# Altium PCB FPGA_SHIELD_MARK1_RA1_2.PcbDoc (part 4 of 4) (continued)
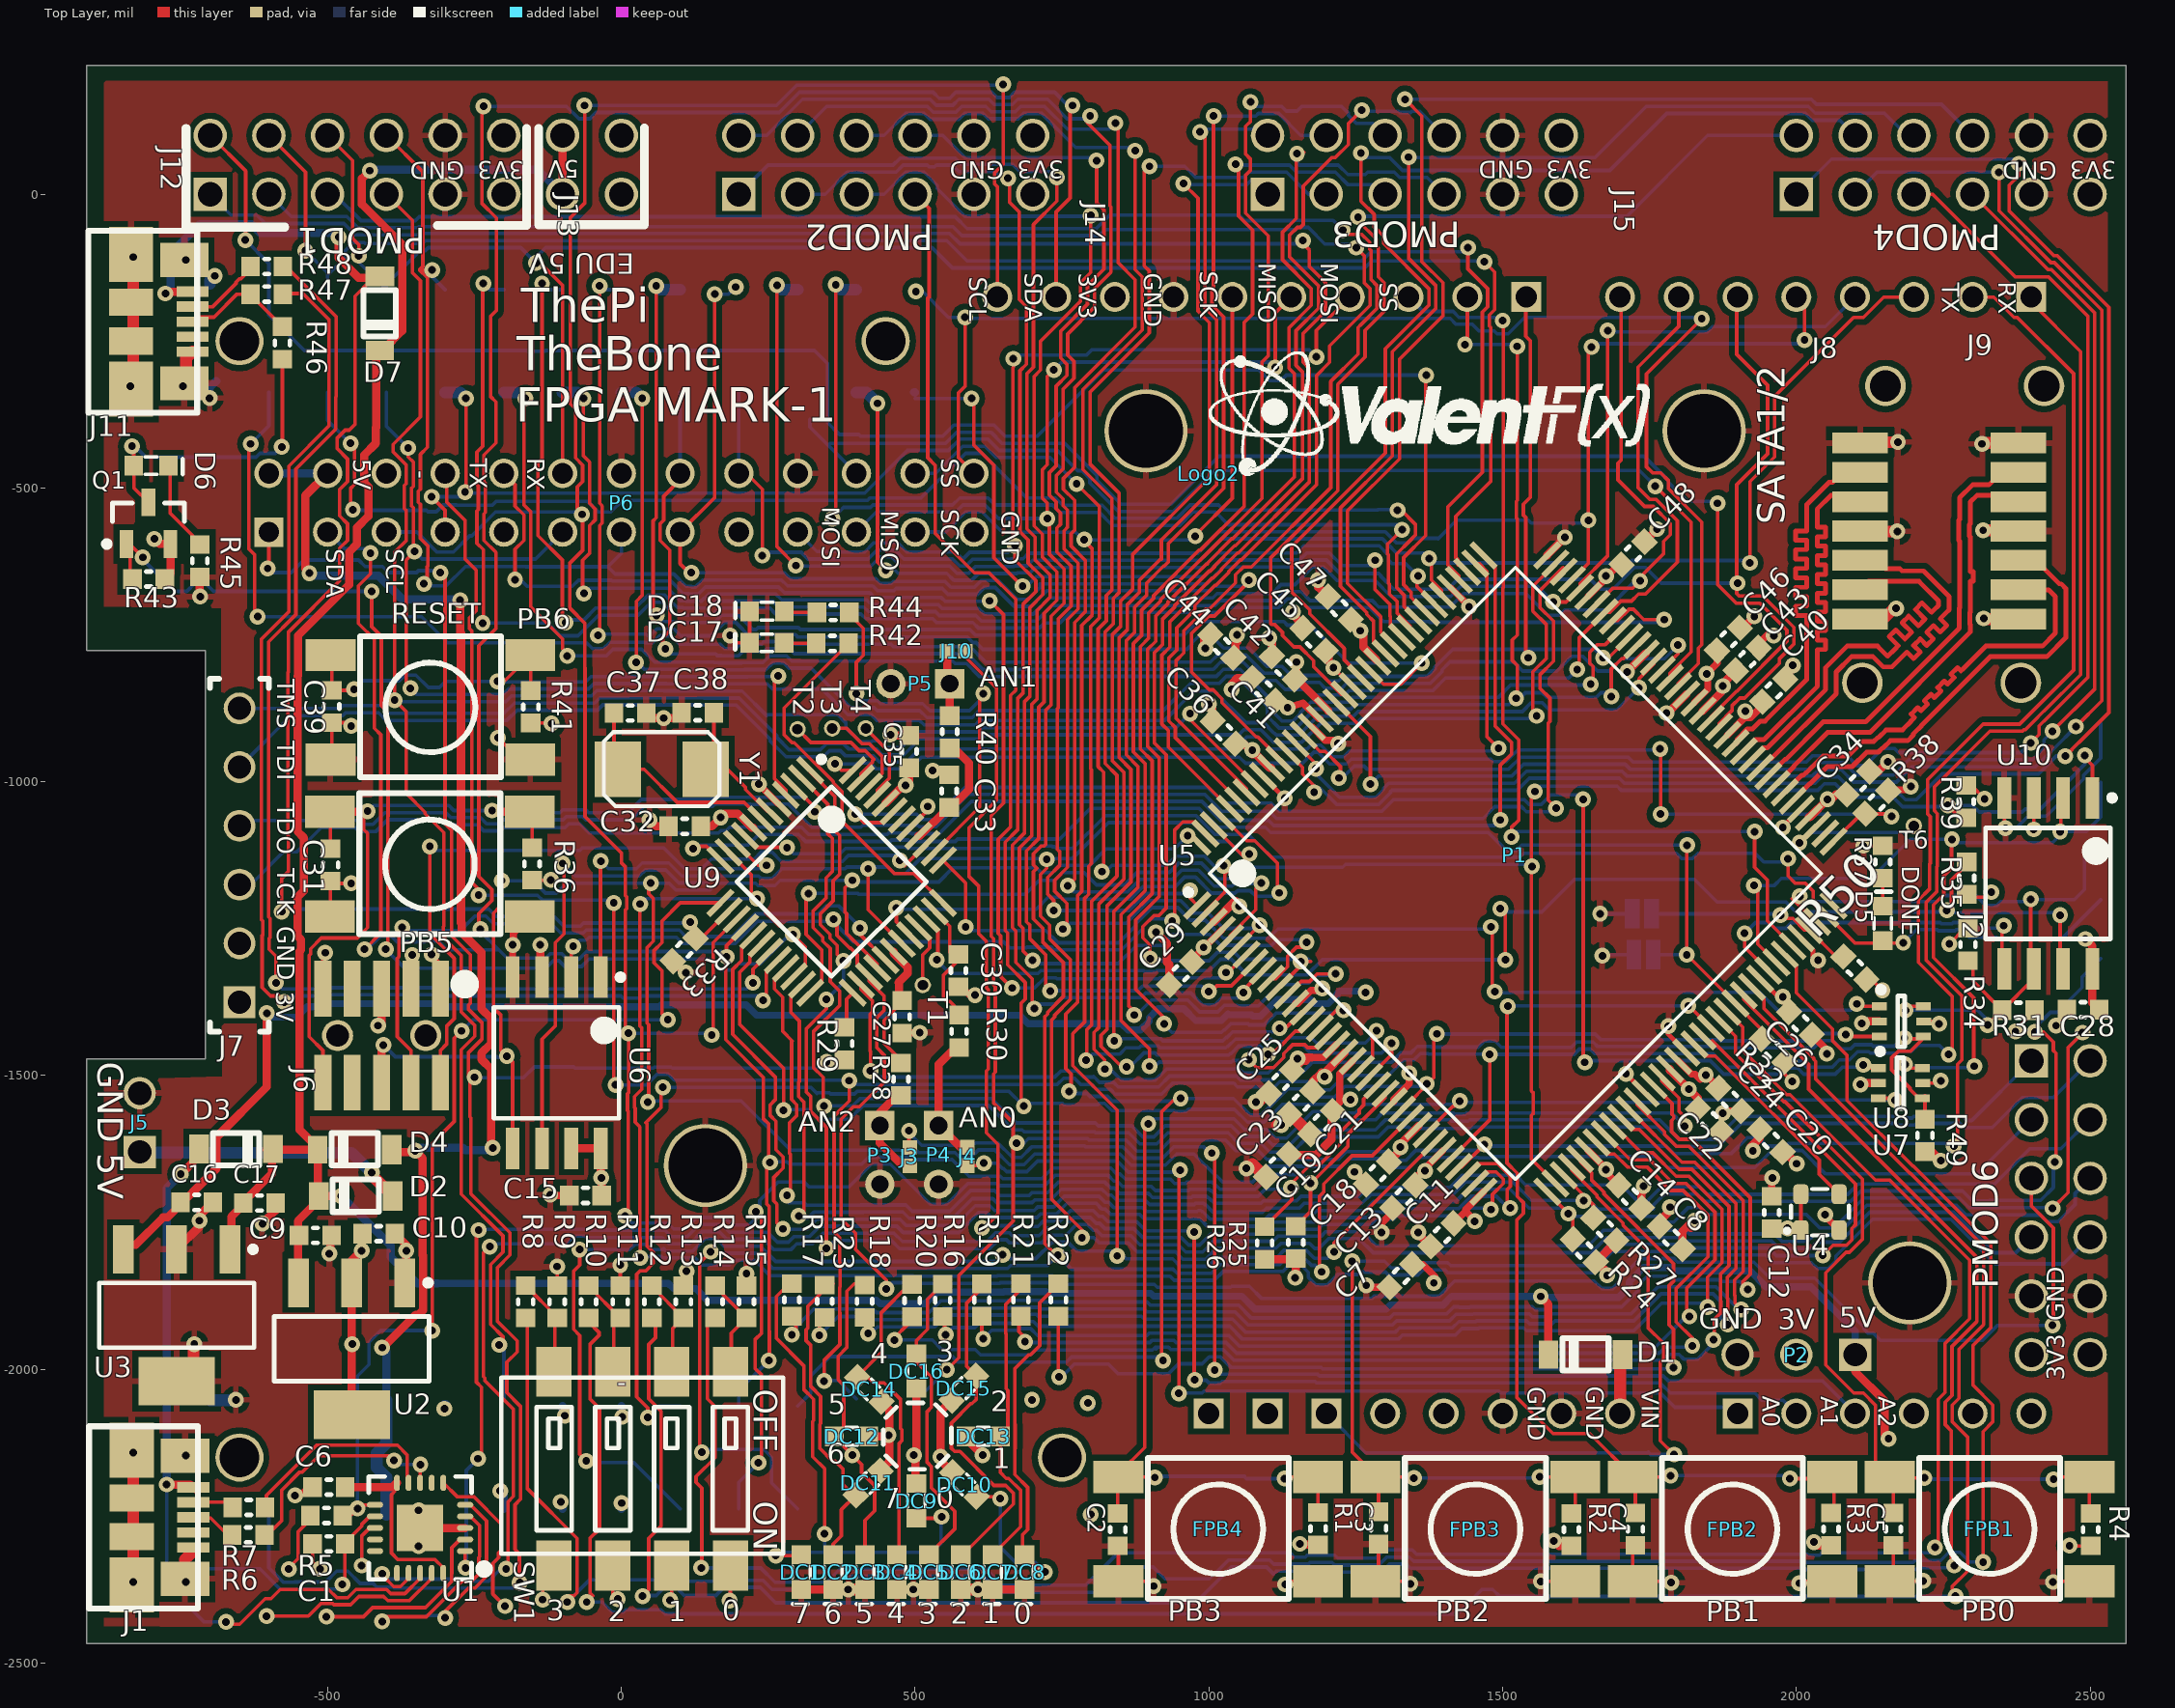
[diagram p0: Top Layer view]
## Nets (pads, with @x,y where several pads share a name; then routed paths per layer and width w, separated by ;. In a path a pad name is that pad's centre, name@x,y a point inside that pad or via, vN(x,y) a via of type N, cw(c..) or ccw(c..) an arc to the next point about the centre after c; other vN are vias at no path point) (continued)
SYS_SPI_MISO: P1.D5 P6.21 P28.21 U5.27 | length 4497.7
  Top Layer w6: v1(137,-2141) 133.55,-2137.55 133.55,-1818.45 v1(152,-1800) ; v1(725,-552) 725,-525.73 716.5,-517.23 716.5,-468.77 725,-460.27 725,-310 v1(736.01,-298.99) ; v1@727,-552 728.5,-553.5 728.5,-612.8 753.5,-637.8 753.5,-696.2 731.5,-718.2 731.5,-869.11 722.5,-878.11 722.5,-1106.68 719.68,-1109.5 714.68,-1109.5 701.5,-1122.68 701.5,-1141.32 707.22,-1147.04 701.5,-1152.77 701.5,-1233.29 717.17,-1248.96 717.17,-1272.38 752.5,-1307.71 752.5,-1365.32 725.5,-1392.32 725.5,-1395.32 720.5,-1400.32 720.5,-1785.73 v1@741.88,-1807.12 ; v1(1113.01,-294.99) 1113.01,-201.99 P1.D5@1140,-175 ; v1@1188,-1834 1188,-1705.87 1195.79,-1698.08 1195.79,-1684.39 1243.68,-1636.5 1278.13,-1636.5 U5.27@1342.44,-1572.19
  Bottom Layer w6: v1(137,-2141) 141.5,-2136.5 242.68,-2136.5 255.86,-2149.68 255.86,-2193.36 P28.21@300,-2237.5 ; v1(152,-1800) 154.5,-1802.5 231.79,-1802.5 233.75,-1804.47 257.79,-1828.5 657.32,-1828.5 662.32,-1823.5 725.5,-1823.5 v1(743,-1806) 766.5,-1829.5 938.8,-1829.5 945.8,-1836.5 1004.2,-1836.5 1019.2,-1821.5 1120.71,-1821.5 1132.71,-1809.5 1161.29,-1809.5 1174.79,-1823 1181,-1823 v1(1192,-1834) ; P6.21@400,-575 434,-541 568.95,-541 580.95,-529 619.05,-529 642.05,-552 v1(725,-552) ; v1(736.01,-298.99) 749.33,-285.67 1103.69,-285.67 v1(1113.01,-294.99)
SYS_SPI_MOSI: P1.D4 P6.19 P28.18 U5.29 U7.3 | length 5631.5
  Top Layer w6: v1(45,-2082) 45,-2065.7 26.12,-2046.82 26.12,-1837.96 31.4,-1832.69 41.13,-1832.69 54.5,-1819.32 54.5,-1800.68 44,-1790.18 44,-1582.83 41.49,-1580.33 67.51,-1554.31 67.51,-1522.99 v1(70.5,-1520) ; v1@666.5,-606 666.5,-295.35 ; v1@666.5,-598 666.5,-295.35 ; v1(667,-280) 667.5,-280.5 667.5,-294.35 666.5,-295.35 ; v1(670,-598) 670,-622.18 705.5,-657.68 705.5,-676.32 683.5,-698.32 683.5,-849.23 674.5,-858.23 674.5,-1081.8 653.5,-1102.8 653.5,-1253.17 657.5,-1257.17 657.5,-1311.68 687.5,-1341.68 687.5,-1369.68 680.5,-1376.68 680.5,-1547.5 v1(685,-1552) ; v1(1183,-277) 1183,-232 P1.D4@1240,-175 ; U5.29@1370.28,-1600.03 1370.28,-1597.4 1415.68,-1552 1418.31,-1552 v1(1427,-1543.31) ; U7.3@2139.6,-1538.59 2164.77,-1538.59 v1(2168,-1541.82)
  Bottom Layer w6: v1(45,-2082) 64.5,-2062.5 P28.18@100,-2062.5 ; v1(70.5,-1520) 322.57,-1520 333,-1530.43 333.93,-1529.5 354.32,-1529.5 356.08,-1531.26 397.08,-1531.26 401.33,-1527 660,-1527 v1@682,-1549 ; P6.19@300,-575 333,-608 369.95,-608 370.95,-609 414.08,-609 429.58,-593.5 470.42,-593.5 485.92,-609 568.95,-609 580.95,-621 581.33,-621 592.83,-609.5 657.77,-609.5 v1@661.27,-606 ; v1@668.33,-273.67 791.95,-273.67 801.13,-264.5 819.77,-264.5 820.26,-264.99 1170.99,-264.99 v1(1183,-277) ; v1@680,-1551 v1@682,-1549 ; v1(2168,-1541.82) 2167.68,-1541.5 1830.41,-1541.5 1826.32,-1545.59 1429.29,-1545.59 v1(1427,-1543.31) 1421.31,-1549 1264.82,-1549 1250.32,-1563.5 1231.68,-1563.5 1217.18,-1549 1124.79,-1549 1094.29,-1579.5 1065.71,-1579.5 1043.71,-1557.5 965.32,-1557.5 961.32,-1561.5 942.68,-1561.5 940.68,-1559.5 834.8,-1559.5 822.8,-1547.5 813,-1547.5 811,-1549.5 752.68,-1549.5 750.68,-1547.5 683.5,-1547.5 v1@682,-1549
SYS_SPI_SCK: P1.D6 P6.23 P28.22 U5.26 U8.3 | length 4668.9
  Top Layer w6: v1(762,-1527) 765.5,-1523.5 765.5,-1497.29 756.5,-1488.29 756.5,-1395.26 776.5,-1375.26 776.5,-1193.62 783.5,-1186.62 783.5,-734.08 801.5,-716.08 801.5,-603.5 788,-590 v1(788,-588) ; v1@919.5,-1985 919.5,-1561.5 ; 920,-1561.5 942.5,-1539 v1(952,-1539) ; v1(977,-582) 978,-583 978,-579.56 1040,-517.56 P1.D6@1040,-175 ; U5.26@1328.52,-1558.27 1383,-1503.79 ; v1@1371.81,-1514.99 1383,-1503.79 ; v1(1388,-1429) 1383,-1434 1383,-1503.79 ; v1(2084.14,-1430.25) 2087.48,-1433.59 U8.3@2141.12,-1433.59
  Bottom Layer w6: P28.22@300,-2062.5 322.5,-2040 322.5,-2010.68 354.94,-1978.24 563.32,-1978.24 572.58,-1987.5 757.8,-1987.5 766.3,-1979 916,-1979 v1(922,-1985) ; P6.23@500,-575 551.92,-575 585.92,-541 614.08,-541 648.58,-575.5 773.5,-575.5 v1@786.5,-588.5 ; v1(762,-1527) 765.5,-1530.5 792.32,-1530.5 797.32,-1535.5 827.77,-1535.5 835.77,-1543.5 947.5,-1543.5 v1(952,-1539) 1042.18,-1539 1070.68,-1567.5 1089.32,-1567.5 1134.32,-1522.5 1168.71,-1522.5 1182.71,-1536.5 1213.68,-1536.5 1231.68,-1518.5 1250.32,-1518.5 1254.32,-1522.5 1263,-1522.5 1267,-1518.5 1366.32,-1518.5 v1(1370.82,-1514) ; v1(788,-588) 787.5,-588.5 972.5,-588.5 978,-583 v1(977,-582) ; v1(1388,-1429) 1388.5,-1429.5 1657.81,-1429.5 1666.92,-1438.61 1868.34,-1438.61 1870.73,-1441 2025.18,-1441 2037.68,-1428.5 2082.39,-1428.5 v1(2084.14,-1430.25)
SYS_SPI_SS: P6.24 P28.17 U5.30 | length 3903.5
  Top Layer w6: v1(-71,-1796) -71,-1822.39 -81.3,-1832.69 -81.3,-1932.04 -71,-1942.34 -71,-2144.74 v1(-59.74,-2156) ; v1(775,-493) 813.5,-531.5 813.5,-721.05 798.58,-735.97 798.58,-978.11 800,-979.53 800,-1139.18 795.5,-1143.68 795.5,-1191.59 788.5,-1198.59 788.5,-1408.77 768.5,-1428.77 768.5,-1483.32 844,-1558.82 v1(844,-1807) ; v1(1213.24,-1800.1) 1213.24,-1784.91 U5.30@1384.2,-1613.95
  Bottom Layer w6: v1(-71,-1796) 14.18,-1796 22.68,-1787.5 41.32,-1787.5 49.82,-1796 71,-1796 72,-1795 75.51,-1798.51 96.7,-1798.51 121.69,-1798.49 142.68,-1777.5 161.32,-1777.5 174.32,-1790.5 236.76,-1790.5 262.76,-1816.5 640.5,-1816.5 v1@644,-1813 ; v1(-59.74,-2156) -57.27,-2158.47 21.2,-2158.47 100,-2237.27 P28.17@100,-2237.5 ; P6.24@500,-475 534.95,-475 580.95,-429 619.05,-429 638.05,-448 730,-448 v1(775,-493) ; v1@642,-1813 v1@643.5,-1811.5 ; v1(649,-1805) 655.5,-1811.5 705.68,-1811.5 733.68,-1783.5 759.68,-1783.5 774.68,-1798.5 842.5,-1798.5 844,-1800 v1(844,-1807) ; v1@843.5,-1796.5 859,-1812 938.27,-1812 950.77,-1824.5 999.23,-1824.5 1014.23,-1809.5 1115.74,-1809.5 1127.74,-1797.5 1166.26,-1797.5 1179.76,-1811 1202.33,-1811 v1(1213.24,-1800.1)
SYS_TX: P1.C2 P6.8 P28.24 U5.32 | length 6059.5
  Top Layer w6: P6.8@-300,-475 -297.5,-477.5 -297.5,-523.53 -266,-555.03 -266,-621 -247,-640 -247,-709.18 -258.5,-720.68 -258.5,-739.32 -254.5,-743.32 -254.5,-1171.5 -243,-1183 v1(-243,-1193) ; v1(-13,-1206) -13,-1513 v1(-10,-1516) ; v1(345,-2020) 345,-1984.82 372,-1957.82 372,-1904.22 371.73,-1903.95 371.73,-1860.27 372.48,-1859.52 372.48,-1818.3 371.5,-1817.32 371.5,-1775.68 362,-1766.18 362,-1569.27 388,-1543.27 388,-1509 v1(387.76,-1508.76) ; U5.32@1412.04,-1641.79 1478,-1575.82 v1(1478,-1464) ; v1(2259.26,-1464) 2265.5,-1457.76 2265.5,-1365.26 2207.76,-1307.52 2207.76,-1201.48 2227,-1182.24 2227,-1139.88 2228,-1138.88 2228,-1059.29 2223.25,-1054.53 2223.25,-996.75 2318,-902 2380,-902 2472,-810 2472,-305.44 2376.06,-209.5 2370.77,-209.5 2336.27,-175 P1.C2@2300,-175
  Bottom Layer w6: v1(-243,-1193) -142.79,-1193 -134.29,-1201.5 -17.5,-1201.5 v1(-13,-1206) ; v1(-10,-1516) 42.68,-1516 61.18,-1497.5 79.82,-1497.5 90.32,-1508 387,-1508 v1(387.76,-1508.76) ; v1(345,-2020) 346,-2019 369,-2019 P28.24@400,-2050 ; v1@388,-1509 394,-1515 742.18,-1515 752.68,-1504.5 771.32,-1504.5 782.32,-1515.5 800.71,-1515.5 808.71,-1523.5 832.74,-1523.5 840.74,-1531.5 919.7,-1531.5 938.2,-1513 1042.24,-1513 1048.74,-1519.5 1111.9,-1519.5 1120.9,-1510.5 1173.68,-1510.5 1187.68,-1524.5 1206.32,-1524.5 1231.32,-1499.5 1305.68,-1499.5 1331.68,-1473.5 1348.97,-1473.5 1359.97,-1462.5 1372.68,-1462.5 1373.68,-1463.5 v1@1473.64,-1463.5 ; v1(1478,-1464) 1621.63,-1464 1630.68,-1454.95 1649.32,-1454.95 1656.98,-1462.61 1858.4,-1462.61 1881.29,-1485.5 1968.71,-1485.5 1978.71,-1475.5 2007.29,-1475.5 2017.29,-1485.5 2061.32,-1485.5 2073.32,-1473.5 2090.55,-1473.5 2104.55,-1459.5 2123.32,-1459.5 2125.82,-1462 2172.18,-1462 2175.68,-1458.5 2196.5,-1458.5 2206.5,-1448.5 2243.76,-1448.5 v1(2259.26,-1464)
TCK: J7.3 U5.109 | length 2749
  Top Layer w6: U5.109@1467.71,-614.53 1487.15,-633.97 1487.15,-905.33 1515.5,-933.68 1515.5,-952.32 1496,-971.82 v1(1496,-1065)
  Bottom Layer w6: J7.3@-650,-1175 -631,-1175 -575,-1119 -552,-1119 -511,-1078 -452.79,-1078 -446.29,-1084.5 -417.71,-1084.5 -397.71,-1064.5 -303.62,-1064.5 -295.12,-1073 -244.79,-1073 -234.29,-1083.5 -205.71,-1083.5 -200.21,-1078 -95.82,-1078 -89.32,-1071.5 -70.68,-1071.5 -54.99,-1087.19 165.23,-1087.19 169.23,-1083.19 178.32,-1083.19 184.01,-1077.5 306.71,-1077.5 318.71,-1089.5 452.42,-1089.5 454.74,-1087.19 493.26,-1087.19 494.52,-1088.45 540.73,-1088.45 595.67,-1033.5 988.23,-1033.5 1020.23,-1065.5 1101.27,-1065.5 1110.27,-1074.5 1304.2,-1074.5 1304.33,-1074.37 1486.63,-1074.37 v1(1496,-1065)
TDI: J7.5 U5.110 | length 2626.1
  Top Layer w6: U5.110@1453.8,-628.45 1459.62,-628.45 1473.23,-642.07 1473.23,-923.23 v1(1493,-943)
  Bottom Layer w6: J7.5@-650,-975 -562.5,-887.5 -474.29,-887.5 -469.29,-882.5 -413.29,-882.5 -400.29,-895.5 -194.77,-895.5 -177.27,-878 -40.61,-878 -31.61,-869 62.49,-869 62.68,-869.19 135.6,-869.19 135.92,-869.5 195.5,-869.5 253,-927 253,-930.05 280.53,-957.58 343.74,-957.58 354.19,-947.13 372.83,-947.13 381.7,-956 428.55,-956 438.74,-966.19 485.76,-966.19 507.44,-944.5 1043.68,-944.5 1064.68,-923.5 1083.32,-923.5 1104.32,-944.5 1166.68,-944.5 1173.68,-937.5 1190.68,-937.5 1210.68,-957.5 1229.32,-957.5 1239.46,-947.36 1488.64,-947.36 v1(1493,-943)
TDO: J7.4 U5.106 | length 2814.7
  Top Layer w6: v1(1591,-1045) 1577.5,-1031.5 1577.5,-900.32 1580.5,-897.32 1580.5,-857.61 1563.5,-840.61 1563.5,-817.97 1586.67,-794.8 1586.67,-726.49 1563.5,-703.32 1563.5,-674.85 1602.92,-635.42
  Bottom Layer w6: J7.4@-650,-1075 -641,-1066 -447.82,-1066 -441.32,-1072.5 -422.68,-1072.5 -402.68,-1052.5 -298.65,-1052.5 -290.15,-1061 -239.82,-1061 -229.32,-1071.5 -210.68,-1071.5 -203.68,-1064.5 -99.29,-1064.5 -94.29,-1059.5 -65.71,-1059.5 -60.71,-1064.5 16.37,-1064.5 38.68,-1042.19 155.68,-1042.19 159.68,-1038.19 219.4,-1038.19 219.71,-1038.5 248.29,-1038.5 248.6,-1038.19 284.37,-1038.19 323.68,-1077.5 407.32,-1077.5 410.92,-1073.9 504.63,-1073.9 507.18,-1076.45 535.76,-1076.45 590.7,-1021.5 993.2,-1021.5 1022.07,-1050.37 1103.11,-1050.37 1115.24,-1062.5 1299.23,-1062.5 1299.36,-1062.37 1466.81,-1062.37 1486.68,-1042.5 1532.21,-1042.5 1540.71,-1051 1582.5,-1051 v1@1591,-1042.5
TMS: J7.6 U5.107 | length 2623.8
  Top Layer w6: v1(1558,-888) 1551.5,-881.5 1551.5,-813 1574.67,-789.83 1574.67,-732.68 1551.5,-709.51 1551.5,-667.16 U5.107@1590.21,-628.45
  Bottom Layer w6: J7.6@-650,-875 -649.5,-875.5 -479.26,-875.5 -474.26,-870.5 -408.32,-870.5 -395.32,-883.5 -199.74,-883.5 -182.24,-866 -45.58,-866 -36.58,-857 67.47,-857 67.65,-857.19 140.57,-857.19 140.89,-857.5 200.47,-857.5 265,-922.03 265,-925.08 285.5,-945.58 338.76,-945.58 349.22,-935.13 377.8,-935.13 386.67,-944 433.52,-944 443.71,-954.19 480.79,-954.19 507.97,-927 612.37,-927 619.37,-920 1051.21,-920 1059.71,-911.5 1088.29,-911.5 1109.29,-932.5 1158.23,-932.5 1190.23,-900.5 1251.14,-900.5 1259.09,-892.55 1543.45,-892.55 1553,-883 v1(1558,-888)
USB_DM: R48.2 U9.19 | length 2193.7
  Top Layer w6: v1(-588,-1342) -588,-1296.82 -599.5,-1285.32 -599.5,-1266.68 -598,-1265.18 -598,-1232.82 -600.5,-1230.32 -600.5,-761.94 -554,-715.44 -554,-467.74 -486,-399.74 -486,-345 -485.44,-344.44 -485.44,-208.59 -568.03,-126 R48.2@-571,-126 ; v1(224,-1342) 224,-1318.76 252.11,-1290.65 U9.19@252.11,-1289.54
  Bottom Layer w6: v1(-588,-1342) -577.5,-1352.5 -513.1,-1352.5 -511.1,-1350.5 -304.9,-1350.5 -302.9,-1352.5 213.5,-1352.5 v1(224,-1342)
USB_DP: R47.2 U9.20 | length 2215.5
  Top Layer w6: -582.5,-1364.5 -597.32,-1364.5 -611.5,-1350.32 -611.5,-1261.71 -610,-1260.21 -610,-1237.79 -612.5,-1235.29 -612.5,-756.96 -566,-710.46 -566,-462.77 -498,-394.77 -498,-213 -542,-169 R47.2@-568,-169 ; v1(241,-1372) 246.59,-1366.41 246.59,-1322.9 U9.20@266.03,-1303.46
  Bottom Layer w6: v1(-574,-1375) -572,-1375 -561.5,-1364.5 -508.13,-1364.5 -506.13,-1362.5 -309.87,-1362.5 -307.87,-1364.5 -0.91,-1364.5 2.71,-1368.12 31.29,-1368.12 34.91,-1364.5 233.5,-1364.5 v1(241,-1372)
VIN_5V: C9.2 C17.2 D1.1 D2.1 D3.1 D4.1 D7.1 J12.13 J12.15 P2.1 U2.3 U3.1 | length 5899.8
  Top Layer w14: U3.1@-664,-1781 -664,-1740.44 C17.2@-639.56,-1716 ; C17.2@-644,-1716 -595,-1667 D3.1@-595,-1626 ; D3.1@-603.51,-1626 D3.1@-595,-1626 ; D3.1@-593.01,-1625 -593.01,-1622.99 -595,-1621 D3.1@-595,-1626 ; U2.3@-547,-1853 -550.56,-1849.44 -550.56,-1747.56 D2.1@-516,-1713 ; D4.1@-521.75,-1630.76 D4.1@-526.51,-1626 ; D2.1@-518,-1705 D2.1@-514.99,-1705 v1(-477,-1705) ; D4.1@-518,-1622 -547.5,-1592.5 -547.5,-1288.87 -545,-1286.37 -545,-1268.8 -551.5,-1262.3 -551.5,-1196.53 -540.5,-1185.53 -540.5,-1095.3 -551.5,-1084.3 -551.5,-820.13 -550.5,-819.13 -550.5,-751.53 -463.5,-664.53 -463.5,-609.21 -450,-595.71 -450,-567.48 -430.5,-547.98 -430.5,-498.24 -438,-490.74 -438,-444.26 -418,-424.26 -418,-397 ; D2.1@-516.99,-1703 D4.1@-516.99,-1626 D4.1@-526.51,-1626 ; v1(-428,40) -441.5,26.5 -441.5,-17.19 -373,-85.69 -373,-232.29 -404,-263.29 D7.1@-404,-266 ; -417,-397 -417,-271.99 D7.1@-411,-265.99 ; J12.13@-100,0 J12.15@-100,100 ; v1(1565,-1876) 1578.01,-1889.01 D1.1@1578.01,-1975 D1.1@1578.01,-1988 ; P2.1@2100,-1975 2100,-2003.58 2150.5,-2054.08 2150.5,-2111.5 v1(2157,-2118) ; D3.1@-595,-1626 D4.1@-526.51,-1626
  Bottom Layer w12: -313,-1854 79.97,-1854 88.47,-1862.5 126.56,-1862.5 146.56,-1882.5 434.44,-1882.5 440.44,-1888.5 517.53,-1888.5 537.53,-1868.5 650.58,-1868.5 651.58,-1867.5 722.42,-1867.5 725.42,-1870.5 901.18,-1870.5 906.18,-1875.5 1056.33,-1875.5 1078.33,-1897.5 1301.53,-1897.5 1308.53,-1890.5 1398.53,-1890.5 1413.03,-1876 v1(1565,-1876) 1566.5,-1877.5 1697.53,-1877.5 1715.52,-1859.52 1715.52,-1851.03 1740.05,-1826.5 1785.59,-1826.5 1791.59,-1832.5 1921.47,-1832.5 1948.49,-1859.52 2024.84,-1859.52 2100,-1934.67 P2.1@2100,-1975
  Bottom Layer w14: v1(-477,-1705) -392.5,-1789.5 -392.5,-1808.98 -347.48,-1854 -313,-1854 ; v1(-428,40) -426.5,41.5 -141.5,41.5 J12.13@-100,0 ; v1@2154.5,-2115.5 v1(2157,-2118)
pads on no net: J1.4 J6.7 J6.8 J6.M J8.x J9.x J11.4 J12.14 J12.16 P1.A0 P1.A3 P1.A-1 P1.B4 P1.B5 P1.B6 P6.17 P28.4 P28.5 P28.6 P28.9 P28.10 P28.11 P28.13 P28.14 P28.15 P28.16 P28.23 P28.25 P28.27 P28.28 P28.29 P28.30 P28.31 P28.32 P28.x P29.x U1.7 U1.14 U1.15 U1.16 U5.72 U9.42
copper on no net: | length 128.1
  Bottom Layer w14: -502.56,-2044.49 -500,-2047.05 -500,-2062.5 ; v1(-206.3,-2206.89) -200,-2213.19 -200,-2237.5 ; v1(-103.26,-2225.59) -100,-2228.85 v1@-100,-2237.5 ; -100,-2062.5 -100,-2075.23 v1(-96.29,-2078.94) ; v1@0,-2237.5 0,-2227.95 v1(0.39,-2227.56) ; 0,-2062.5 0,-2079.53 v1(1.38,-2080.91) ; v1(794,-2057.28) 799.22,-2062.5 v1@800,-2062.5
  Bottom Layer w20: v1(-301,-2067) -301,-2063.5 v1@-300,-2062.5 ; v1(699,-2052) 699.5,-2052.5 v1@700,-2052.5 ; v1(799,-2247) 799.5,-2247.5 v1@800,-2247.5

## Polygon pours and split planes (outlines as drawn)
GND on Top Layer "GND_TOP" (solid, remove dead copper, pour order 12): -881,-2437 -785.04,-2438 2530,-2438 2530,192 -881,193 -881,-702 -681.18,-704.68 -679.58,-1501 -881,-1507
GND on Bottom Layer "GND_BOT" (solid, remove dead copper, pour order 9): -881,-2437 -785.04,-2438 2530,-2438 2530,192 -881,193 -881,-702 -681.18,-704.68 -679.58,-1501 -881,-1507
1V2 on VDD "1V2" (solid, pour order 7): 989.81,-1116 1483.68,-620 1560,-620.5 2059.06,-1119 2060,-1136.3 2060,-1204 2057.81,-1204 1568.83,-1692.27 1550.83,-1692.97 1491.89,-1692.97 1491.89,-1691.82 983.26,-1183.19 991.09,-1175.36 991.09,-1114.5
3V3 on VDD "VDD" (solid, remove dead copper, pour order 8): -881,-2437 -785.04,-2438 2530,-2438 2530,192 -881,193 -881,-702 -681.18,-704.68 -679.58,-1501 -881,-1507
GND on GND "GND" (solid, remove dead copper, pour order 10): -881,-2437 -785.04,-2438 2530,-2438 2530,192 -881,193 -881,-702 -681.18,-704.68 -679.58,-1501 -881,-1507

## Silkscreen, mask and mechanical layers (free items; w line width, h text height)
Top Overlay:
  circle w45: c-266.72,-1344.62 r1.73
  lines w15: -741,112 -741,-56 -573,-56 ; -313,-53.17 -161,-53.17 -161,112 ; -141,112 -141,-52 39.5,-52 39.5,113
  text "5V" at -72,67 h50 r180
  text "3V3" at -166,65.5 h50 r180
  text "GND" at 652,65.56 h50 r180
  text "3V3" at 753,66 h50 r180
  text "GND" at 1552,66.06 h50 r180
  text "3V3" at 1653,66.5 h50 r180
  text "3V3" at 2545,65.5 h50 r180
  text "GND" at -267,65.06 h50 r180
  text "GND" at 2444,65.06 h50 r180
  text "PMOD3" at 1428,-32.23 h75 r180
  text "PMOD2" at 531,-37.2 h75 r180
  text "PMOD4" at 2348,-37 h75 r180
  text "PMOD1" at -333,-43 h75 r180
  text "EDU 5V" at 22,-90 h60 r180
  text "MISO" at 1074.5,-117 h50 r270
  text "MOSI" at 1181,-117 h50 r270
  text "SCK" at 975.65,-130.86 h50 r270
  text "SDA" at 677,-134.5 h50 r270
  text "3V3" at 769,-134.5 h50 r270
  text "GND" at 880.5,-134.5 h50 r270
  text "SCL" at 582.36,-141 h50 r270
  text "RX" at 2334,-149 h50 r270
  text "SS" at 1281.45,-150.69 h50 r270
  text "TX" at 2238,-150.6 h50 r270
  text "ThePi" at -171,-238 h100
  text "TheBone" at -178,-320 h100
  text "FPGA MARK-1" at -180,-407 h100
  text "RX" at -170,-449 h50 r270
  text "TX" at -268,-450 h50 r270
  text "SS" at 535,-450 h50 r270
  text "5V" at -466,-450.82 h50 r270
  text "-" at -364,-470 h50 r270
  text "MOSI" at 332.19,-532 h50 r270
  text "SCK" at 534.88,-535.74 h50 r270
  text "MISO" at 432.5,-538 h50 r270
  text "GND" at 638,-539 h50 r270
  text "SATA1/2" at 1996,-562.27 h80 r90
  text "SDA" at -512,-603 h50 r270
  text "SCL" at -410,-603 h50 r270
  text "RESET" at -392,-742 h60
  text "TMS" at -595.69,-825 h50 r270
  text "AN1" at 610,-850 h60
  text "TDI" at -595.17,-930 h50 r270
  text "TDO" at -595.79,-1036 h50 r270
  text "DONE" at 2169.81,-1143 h50 r270
  text "TCK" at -595.79,-1147 h50 r270
  text "GND" at -595.79,-1246 h50 r270
  text "3V" at -597.21,-1357 h50 r270
  text "GND" at -906,-1477 h75 r270
  text "AN0" at 574.5,-1600.2 h60
  text "AN2" at 301,-1607 h60
  text "5V" at -906,-1632 h75 r270
  text "PMOD6" at 2358,-1862.44 h75 r90
  text "GND" at 2465.56,-1918 h50 r90
  text "5V" at 2072.75,-1940 h60
  text "GND" at 1834,-1942.5 h60
  text "3V" at 1968.63,-1943 h60
  text "3" at 536,-1998 h60
  text "4" at 424,-2002 h60
  text "3V3" at 2466,-2019 h50 r90
  text "GND" at 1632.74,-2029 h50 r270
  text "GND" at 1533,-2030 h50 r270
  text "VIN" at 1727,-2033 h50 r270
  text "-" at -7.61,-2037 h32
  text "A0" at 1933,-2045 h50 r270
  text "A1" at 2032,-2046 h50 r270
  text "A2" at 2130,-2046 h50 r270
  text "2" at 629,-2083 h60
  text "5" at 352,-2088 h60
  text "6" at 350,-2172.1 h60
  text "1" at 632,-2180 h60
  text "0" at 536,-2247 h60
  text "7" at 445,-2248 h60
  text "3" at -127,-2439 h60
  text "0" at 172,-2439 h60
  text "2" at -22.74,-2440.29 h60
  text "1" at 80,-2440.29 h60
  text "PB3" at 930,-2440 h60
  text "PB0" at 2281,-2440 h60
  text "PB2" at 1386,-2440.63 h60
  text "PB1" at 1846,-2440.63 h60
  text "7" at 291.09,-2444 h60
  text "5" at 398.8,-2444 h60
  text "4" at 452.66,-2444 h60
  text "1" at 614.23,-2444 h60
  text "6" at 344.94,-2444.63 h60
  text "3" at 506.51,-2444.74 h60
  text "2" at 560.37,-2444.74 h60
  text "0" at 668.09,-2444.74 h60
Bottom Overlay:
  text "26" at 576.47,-84.5 h60 r90
  text "25" at 587.61,-367.75 h60 r90
  text "5V" at -633.56,-448 h50 r90
  text "TX" at -278,-537 h50
  text "RX" at -173.5,-537 h50
  text "SS" at 528,-537.52 h50
  text "3V3" at -636,-550 h50 r90
  text "SDA" at -486,-611 h50 r90
  text "SCL" at -386,-611 h50 r90
  text "MOSI" at 317.82,-611 h50 r90
  text "MISO" at 414.08,-611 h50 r90
  text "SCK" at 514,-611 h50 r90
  text "GND" at 619.05,-611 h50 r90
  text "GND" at 487,-797 h60
  text "AN1" at 608,-798 h60
  text "T2" at 312.33,-835 h50 r90
  text "T3" at 362,-837.39 h50 r90
  text "T4" at 414.74,-839.5 h50 r90
  text "TMS" at -606,-844 h50
  text "GND" at 2470,-915 h50
  text "TDI" at -607,-940 h50
  text "DIN" at 2475,-1018 h50
  text "TDO" at -604,-1042 h50
  text "CLK" at 2472,-1119 h50
  text "T5" at 2225.55,-1127 h50
  text "TCK" at -611.49,-1140.69 h50
  text "DONE" at 2482,-1215 h50
  text "GND" at -604.49,-1242.69 h50
  text "FPGA JTAG" at -585,-1266 h75 r270
  text "INITB" at 2485,-1316 h50
  text "3V3" at -613,-1339 h50
  text "PROGB" at 2481,-1406 h50
  text "AN2" at 401.5,-1605 h60
  text "AN0" at 675,-1608 h60
  text "FPGA MARK-1 RA.2" at 1802.72,-1642 h125
  text "GND" at 679,-1699 h60
  text "GND" at 406,-1700 h60
  text "V2012.11.19.a" at 1801,-1747.18 h150
  text "Speical Thanks To:" at 1792.72,-1821.06 h60
  text "GND" at -682,-1864 h50 r90
  text "Jonathan Piat" at 1794.69,-1874.21 h60
  text "MOSI" at 114,-1882 h50 r90
  text "SCK" at 314,-1897 h50 r90
  text "SDA" at 214,-1902 h50 r90
  text "5V" at -381,-1917 h50 r90
  text "Ting Cao" at 1796.24,-1926 h60
  text "TX" at 409,-1932 h50 r90
  text "RX" at 514,-1932 h50 r90
  text "5V" at 2132.29,-1940 h60
  text "3V" at 2039,-1943 h60
  text "GND" at 1951,-1944 h60
  text "Brian Wiec" at 1792.72,-1977.56 h60
  text "32" at 862.83,-1983 h50 r90
  text "31" at 868,-2270 h50 r90
  text "SS" at 109,-2307 h50 r90
  text "SCL" at 209,-2307 h50 r90
  text "MISO" at 314,-2312 h50 r90
  text "3V3" at -585,-2321 h50 r90
  text "5V" at -380.03,-2323.99 h50 r90
  text "FTDI IO" at -8,-2454 h50
  text "IO5" at -698,-2458 h50
  text "IO3" at -599,-2458 h50
  text "IO8" at -499,-2458 h50
  text "IO6" at -398,-2458 h50
  text "IO7" at -298,-2458 h50
  text "IO4" at -199,-2458 h50
Mechanical 3:
  lines w20: -3569,-992 -1169,-992 ; -3569,1108 5381,1108
  text "PCB Fabrication Notes" at -3549,1228 h150
  text "Unless otherwise specified, all dimensions are in inches" at -3554,908 h100
  text "Overall Dimension:  3.471\"  x  2.685\"" at -3569,808 h100
  text "Finished Thickness:  .062\"" at -3569,708 h100
  text "Layer Count: 4" at -3569,608 h100
  text "Min Thru Hole: 13 mil" at -3569,519 h100
  text "Annular Ring: 7 mil" at -3569,425 h100
  text "Min Trace/Space: 6 mil" at -3575,331 h100
  text "Drill Count:" at -3585,225 h100
  text ".hole_Count" at -2985,225 h100
  text "PAD Count:" at -3585,125 h100
  text ".pad_Count" at -2985,125 h100
  text "Component Count:" at -3585,25 h100
  text ".Component_Count" at -2785,25 h100
  text "Via Count:" at -3585,-75 h100
  text ".Via_Count" at -2985,-75 h100
  text ".Via_Count" at -2985,-175 h100
  text "Solder Mask:  Black" at -3580,-286 h100
  text "Legend:  White Non-Conductive Ink LPI Process" at -3580,-386 h100
  text "RS274-X Gerber Format, 2.5 Leading Zeros Suppressed" at -3580,-486 h100
  text "Excellon Drill Format, 2.5 Trailing Zeros Suppressed" at -3580,-586 h100
  text "Layer Details" at -3569,-892 h100
  text "4-Layer Stackup" at -2769,-892 h100
  text "POLARITY" at -1869,-892 h100
  text ".GTL - Top Copper" at -3569,-1092 h100
  text "POSITIVE" at -1869,-1092 h100
  text ".G1 - Inner Copper (Ground)" at -3569,-1192 h100
  text "POSITIVE" at -1869,-1192 h100
  text ".G2 - Inner Copper (VDD)" at -3569,-1292 h100
  text "POSITIVE" at -1869,-1292 h100
  text ".GBL - Bottom Copper" at -3569,-1392 h100
  text "POSITIVE" at -1869,-1392 h100
  text ".GTO - Top Silkscreen" at -3569,-1592 h100
  text ".GBO - Bottom Silkscreen" at -3569,-1692 h100
  text ".GTP - Top Solder Paste" at -3569,-1792 h100
  text ".GBP - Bottom Solder Paste" at -3569,-1892 h100
  text ".GTS -  Top Solder Mask" at -3569,-1992 h100
  text ".GBS - Bottom Solder Mask" at -3569,-2092 h100
  text ".GKO - Board Outline" at -3569,-2192 h100
  text ".GM1 - 3D Part Bodies - System" at -3569,-2292 h100
  text ".GM2 - Board Dimensions" at -3569,-2392 h100
  text ".GM3 - Single Board Fabrication Notes" at -3569,-2492 h100
  text ".GM4 - Single Board Score/Tab Route" at -3569,-2592 h100
  text ".GM13 - 3D Body Alt" at -3569,-2692 h100
  text ".GM15 - Assembly Outlines" at -3569,-2792 h100
  text ".GM20 - Panel Dimensions" at -3569,-2892 h100
  text ".GM21 - Panel Score/Tab Route" at -3569,-2992 h100
  text ".GM22 - Panel Dimensions" at -3569,-3092 h100
  text ".TXT/.DRL - NC-Drill" at -3569,-3292 h100
[5] Board Outline:
  the board outline again, w10
[6] Dimension:
  lines w10: -907.03,-2600 -906.97,-2620 ; -847.06,-2589.82 -907,-2610 ; -846.94,-2629.81 -907,-2610 ; 425.62,-2605.89 -907,-2610 ; 1207.38,-2603.48 2540,-2599.38 ; 2479.94,-2579.56 2540,-2599.38 ; 2480.06,-2619.56 2540,-2599.38 ; 2539.97,-2589.38 2540.03,-2609.38 ; 2740.01,-2422.5 2759.87,-2482.54 ; 2745.74,142.5 2765.87,202.46 ; 2749.87,-2482.52 2769.87,-2482.57 ; 2755.87,202.48 2775.87,202.43 ; 2761.99,-1535.92 2759.87,-2482.54 ; 2763.76,-744.17 2765.87,202.46 ; 2780.01,-2422.59 2759.87,-2482.54 ; 2785.74,142.41 2765.87,202.46
  text "2685.007 (mil)" at 2798,-1526 h60 r89.87
  text "3447.015 (mil)" at 435.73,-2641.85 h60 r0.18
[21] Assembly Drawing Bottom Title Block:
  lines w19.68: -935.53,-2493 2588.09,-2493 2588.09,248 -935.53,248 -935.53,-803.61 -736,-803.61 -736,-1447 -935.53,-1447 -935.53,-2493

## Text inside footprints (layer, text, board x,y; h text height)
SW1: Top Overlay "OFF" at 225.5,-2034 h40 r270; Top Overlay "ON" at 225.5,-2224 h40 r270